# Allegro board RK3588_Template_LP4XD200P232SD8_41R0X41R0_2133MHz_H1R6_V10_20211229.brd (continued)
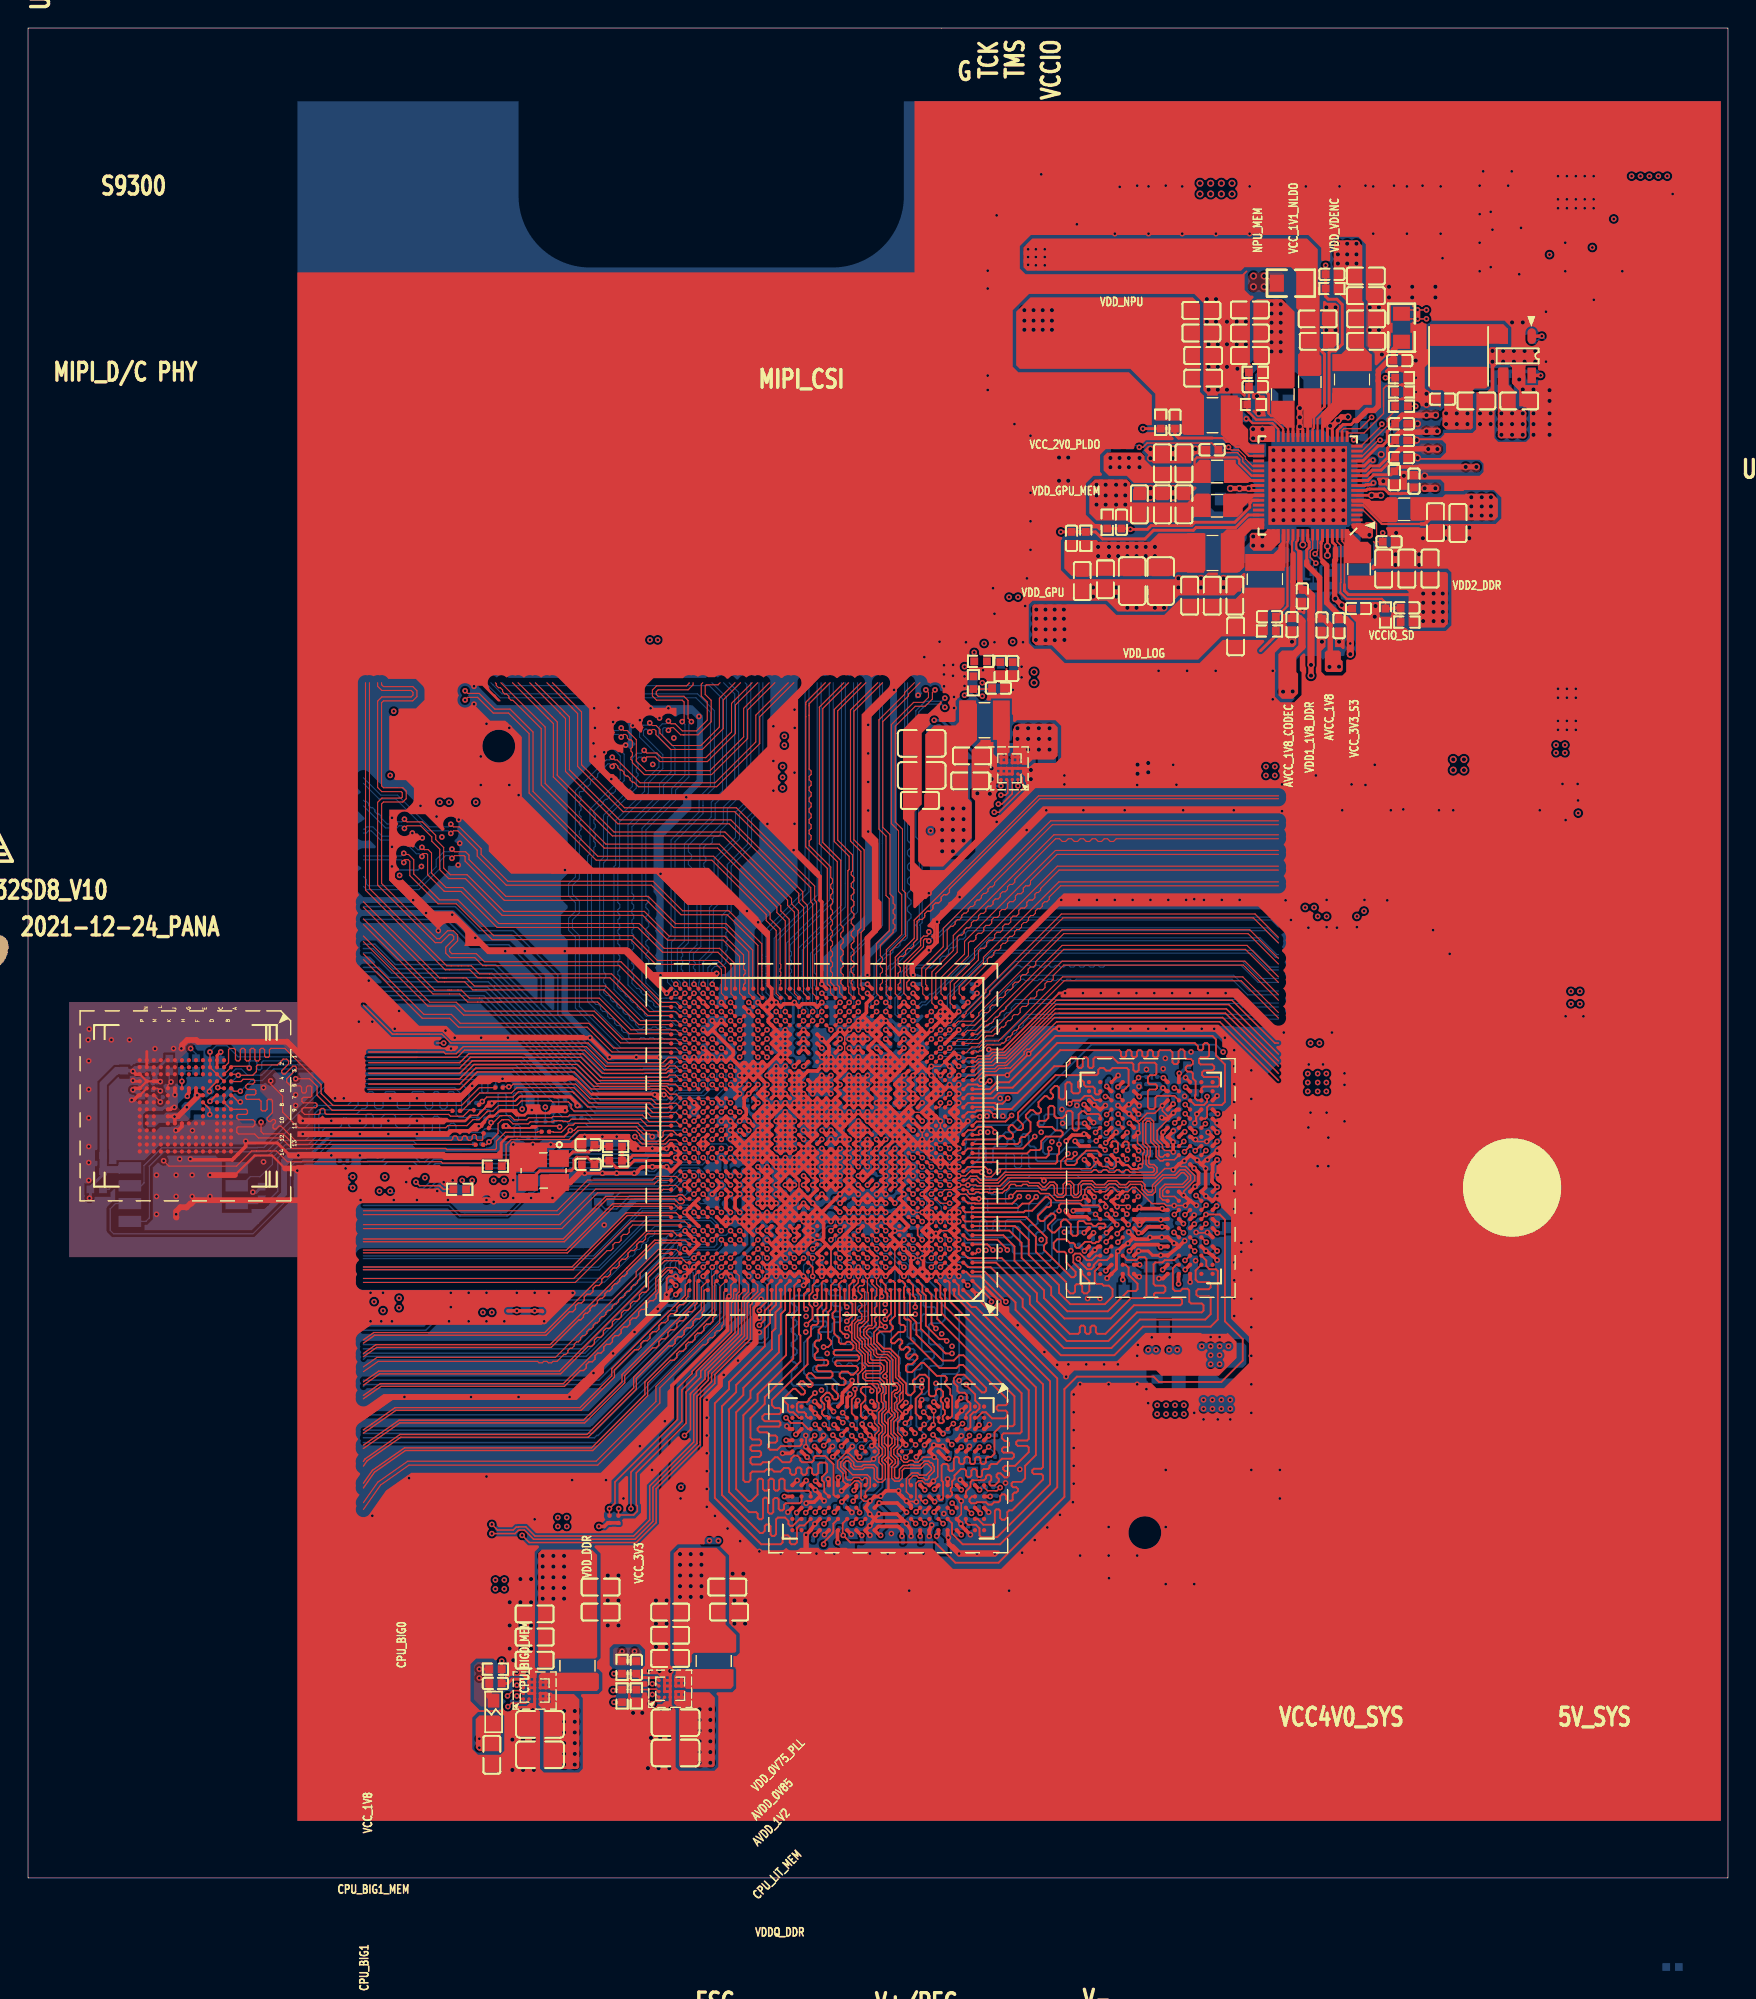
[diagram p0: board, top side]
## Routing (per net, layer and track width the routed paths; a pad name or vN(x,y) marks a point on that pad's centre or on a via; arc(x,y) is an arc through that point) (continued)
; 48.71,60.38 50.22,58.88 50.22,58.61 50.02,58.42 ; 48.71,60.38 U1000.AJ30 v1(48.07,60.38) ; 48.71,60.38 U1000.AK29 ; v1(65.62,47.38) U1000.J4 ; v1(65.62,47.38) 65.94,47.05 ; U1000.J4 64.97,47.38 U1000.J5 ; U1000.J4 65.29,47.05 v1(65.61,46.73) ; U1000.J4 v1(64.96,46.73) U1000.J5 ; U1000.AC24 v1(52.62,56.48) U1000.AD24 51.97,57.13 ; U1000.AP34 v1(45.47,62.98) 44.95,63.49 44.95,63.76 44.45,64.26 ; v1(60.41,46.73) U1000.J11 60.74,47.05 v1(61.06,46.73) ; v1(60.41,46.73) U1000.H12 ; U1000.Y13 v1(59.11,54.53) U1000.Y14 ; U1000.Y13 v1(59.76,54.53) U1000.Y12 ; U3801.D4 v1(66.45,31.48) ; 63.98,52.27 63.66,51.96 v1(63.66,51.93) 63.39,52.2 ; 63.98,52.27 64,52.27 ; 63.98,52.27 v1(63.67,52.58) 63.39,52.3 ; U1000.C3 v1(65.61,42.83) 65.29,43.15 U1000.C4 ; U1000.C3 65.94,43.15 v1(66.26,42.83) ; U1000.N29 49.04,49.65 v1(49.37,49.33) 49.04,49 U1000.M29 49.04,49 v1(48.72,48.68) ; 56.52,57.78 56.77,57.53 56.9,57.53 57.15,57.79 ; 56.52,57.78 56.83,58.1 ; v1(53.92,45.43) U1000.F21 ; v1(53.92,45.43) U1000.G21 v1(53.92,46.08) ; v1(46.77,58.43) U1000.AF32 47.09,58.1 v1(47.42,58.43) U1000.AF31 ; v1(51.32,49.98) 51.64,49.65 U1000.N25 ; v1(51.32,49.98) U1000.P25 ; v1(51.32,49.98) 50.99,50.3 U1000.P26 U1000.R25 ; v1(34.54,52.22) v1(35.94,52.22) v1(37.21,52.22) 37.23,52.2 C1101.2 ; v1(53.92,46.08) 53.59,46.4 U1000.H22 ; U1000.C7 63.66,42.83 ; U1000.C7 62.93,43.56 62.87,43.56 ; U1000.AD26 v1(50.67,57.13) 50.99,57.45 U1000.AE26 ; U1000.AD26 v1(50.67,56.48) U1000.AC27 ; U1000.AD26 51.32,57.13 ; U1000.AE12 59.79,57.75 59.79,57.81 ; U1000.AE12 60.09,57.45 U1000.AD11 ; U1000.AE12 60.13,57.45 60.41,57.74 v1(60.41,57.78) ; v1(84.68,48.54) U3800.P12 v1(83.86,48.53) U3800.N11 83.84,49.15 v1(83.84,50.51) 83.84,50.55 U3800.K11 ; U1000.V15 v1(58.46,52.58) U1000.U15 ; U1000.V15 58.14,52.9 v1(57.81,52.58) ; U1000.V15 57.81,53.24 ; U4000.G5 11.45,55.88 11.34,55.77 v1(11.34,55.64) ; 63,57.79 63.03,57.79 U1000.AF7 ; 63,57.79 U1000.AE7 ; 63,57.79 U1000.AF8 ; U1000.Y11 60.74,54.2 v1(60.41,54.53) ; U1000.Y11 61.39,54.85 ; U1000.AJ7 63.64,59.75 63.69,59.75 ; U1000.AJ7 63.61,60.32 63.61,60.43 ; v1(64.17,24.33) U3801.G12 v1(64.34,25.12) ; U1000.F21 53.9,44.77 ; U1000.F21 54.24,45.1 v1(54.57,44.78) ; v1(60.41,54.53) U1000.AA11 ; v1(60.41,54.53) U1000.Y12 ; U1000.AA11 60.74,54.85 U1000.Y10 ; U1000.AA11 v1(60.41,55.18) U1000.AB11 ; v1(64.32,53.88) U1000.Y6 ; U1000.Y12 59.82,53.93 ; U1000.K18 55.87,47.38 ; U1000.K18 56.19,47.7 v1(55.87,48.03) U1000.L19 ; 55.87,47.38 U1000.J19 ; U3800.D4 78.3,55.06 v1(78.37,55.06) 78.45,55.06 U3800.C5 v1(79.12,54.98) ; U3800.D4 v1(78.4,54.4) U3800.E5 ; U3800.D4 v1(77.6,54.99) ; v1(57.81,44.78) U1000.F16 ; v1(57.81,44.78) 58.14,44.45 ; U1000.AC4 65.29,56.15 v1(65.61,56.48) U1000.AC3 ; U1000.AC4 64.96,56.48 ; U1000.AC4 v1(64.97,55.83) ; U1000.AE26 50.67,57.78 ; U1000.AE26 51.31,57.78 ; U1000.AE26 51.32,57.13 ; 50.67,57.78 50.93,58.04 51.05,58.04 51.31,57.78 ; 50.67,57.78 50.34,58.1 U1000.AF27 50.02,58.42 ; U1000.K6 63.99,47.7 ; U1000.K6 63.99,47.7 ; U1000.K6 v1(64.31,47.38) ; 63.99,47.7 v1(64.31,48.03) U1000.L6 v1(63.67,48.68) 63.99,49 U1000.M6 v1(64.31,49.33) U1000.N6 63.99,49.65 v1(64.31,49.98) U1000.P6 ; v1(10.41,54.86) 10.39,54.84 10.26,54.84 10.14,54.72 U4000.K8 ; U3801.AB10 v1(54.1,26.03) ; 53.26,60.38 52.94,60.7 U1000.AK23 52.7,60.94 52.7,61.12 U1000.AL23 52.57,61.72 ; 53.26,60.38 U1000.AJ22 ; 53.26,60.38 53.26,60.38 U1000.AJ23 52.94,60.05 53.26,59.73 ; v1(46.76,43.48) U1000.C32 ; U1000.C32 v1(46.76,42.83) U1000.B33 v1(46.11,42.83) ; U1000.C32 v1(47.41,43.48) U1000.D31 ; U1000.W24 v1(51.97,53.88) ; U1000.W24 v1(51.97,53.23) ; 56.52,55.18 56.84,55.5 U1000.AB17 v1(57.16,55.18) U1000.AA16 ; 56.52,55.18 U1000.AA17 ; U1000.U15 58.14,52.25 v1(57.81,52.58) ; U1000.U15 58.14,52.25 v1(58.46,51.93) U1000.T15 58.14,51.6 v1(58.46,51.28) U1000.R15 58.14,50.95 v1(58.46,50.63) ; v1(84.66,43.98) U3800.Y12 v1(83.86,44.63) U3800.W11 ; U1000.V10 v1(61.71,52.58) ; v1(51.32,47.38) 51.56,47.62 51.56,47.78 ; v1(59.11,57.78) U1000.AE13 59.79,57.81 ; v1(59.11,57.78) U1000.AF13 ; v1(59.11,57.78) U1000.AF14 ; v1(64.31,47.38) 64.64,47.05 ; U1000.AH4 65.94,60.05 U1000.AJ3 65.94,60.05 v1(66.26,60.38) ; U1000.C23 v1(53.26,42.83) U1000.C22 ; U1000.C23 v1(53.26,43.48) ; U1000.C23 v1(52.62,43.48) ; U1000.C23 52.94,43.15 v1(52.61,42.83) 52.29,42.5 U1000.B24 ; 55.2,53.24 v1(55.22,53.23) U1000.V19 ; U1000.W15 57.82,53.24 57.81,53.24 ; U1000.W15 U1000.Y16 ; v1(46.78,46.07) U1000.G32 v1(47.41,45.43) 47.74,45.1 U1000.F31 U1000.E32 v1(46.76,44.78) ; U1000.U24 v1(51.97,52.58) ; U1000.U24 v1(52.62,52.58) ; U1000.U24 v1(51.97,51.93) ; U1000.U24 52.62,51.93 ; v1(51.97,52.58) U1000.V24 ; U1000.J10 61.39,47.05 v1(61.06,46.73) ; U1000.J10 61.72,47.38 ; 57.81,57.13 U1000.AE16 ; 57.81,57.13 57.49,56.8 U1000.AD16 v1(57.81,56.48) U1000.AC16 57.81,55.83 57.49,55.5 U1000.AB16 ; U1000.AE16 57.15,57.79 ; U1000.W19 v1(55.86,53.88) ; U1000.W19 v1(55.22,53.88) ; v1(55.86,51.92) U1000.T19 ; U1000.AP17 v1(56.52,63.63) 56.52,63.7 56.51,63.71 56.51,69.48 56.39,69.6 56.39,71.29 56.18,71.5 ; 52.61,51.27 52.61,51.28 ; 52.61,51.27 U1000.T23 ; 52.61,51.28 U1000.R23 ; 52.61,51.28 U1000.T24 ; U1000.Y10 61.69,54.5 ; U1000.Y10 U1000.W9 ; v1(58.46,58.43) U1000.AG15 v1(57.81,58.43) ; v1(58.46,58.43) U1000.AF14 ; v1(48.32,26.42) v1(48.32,27.69) v1(48.32,28.96) v1(48.32,30.23) v1(48.32,31.5) v1(48.32,32.77) v1(48.32,34.04) 49.28,34.99 49.28,35.56 v1(49.53,35.81) v1(50.55,36.83) ; 61.72,47.38 U1000.K9 ; U1000.W3 v1(66.26,53.23) ; U1000.W3 v1(65.61,53.23) ; v1(66.26,53.23) U1000.V3 ; v1(55.87,53.88) 55.54,54.2 U1000.Y19 ; v1(55.87,53.88) U1000.Y18 ; U1000.V3 65.62,52.58 65.61,52.58 ; U1000.V3 v1(65.62,53.23) ; U1000.AA21 54.57,54.52 ; U1000.Y6 63.94,54.2 63.64,54.5 U1000.AA6 ; U1000.Y6 64.26,54.47 64.37,54.47 ; 55.21,45.42 54.89,45.1 U1000.F20 ; 49.38,46.71 49.04,47.05 U1000.J29 ; U1000.N22 v1(53.27,49.33) U1000.M22 ; 56.84,47.06 56.51,46.74 56.51,46.73 ; U1000.AF13 v1(59.11,58.43) U1000.AF14 ; U1000.AF13 59.74,57.81 59.79,57.81 ; 62.4,54.56 62.4,54.49 U1000.Y8 ; 62.4,54.56 U1000.Y9 ; 51.96,46.73 U1000.H25 ; v1(45.34,32.51) 45.85,33.02 45.85,35.05 49.8,39 49.8,41.24 49.91,41.36 v1(49.91,41.4) ; U1000.AJ22 v1(53.91,60.38) U1000.AJ21 54.24,60.05 v1(53.92,59.73) ; U1000.AJ22 53.58,60.05 53.26,59.73 ; U1000.AJ22 53.59,60.05 v1(53.92,59.73) ; U1000.AA3 v1(66.27,55.18) U1000.AB3 65.94,55.5 v1(66.26,55.83) U1000.AC3 ; U1000.C13 59.44,43.15 v1(59.76,42.83) U1000.C12 60.09,43.15 ; U1000.V8 63,52.59 ; U1000.AK29 v1(49.36,61.03) 49.69,60.7 U1000.AK28 ; U1000.AK29 v1(48.72,61.03) ; v1(52.62,52.58) U1000.U23 52.62,51.93 ; v1(52.62,52.58) 52.29,52.9 U1000.V24 ; U3800.P10 v1(82.28,48.59) 82.2,48.59 U3800.N9 ; U3800.P10 v1(83.19,47.88) ; U3800.P10 v1(82.4,47.87) ; v1(84.66,51.78) U3800.J12 83.98,51.21 v1(83.97,51.13) 83.86,51.13 U3800.K11 ; U1000.F23 v1(52.62,45.43) ; U1000.F23 53.25,45.41 ; v1(63.66,44.78) 63.34,45.1 U1000.F7 ; v1(63.66,44.78) 63.99,45.1 ; v1(53.27,50.63) U1000.R23 ; U3800.K11 83.25,51.1 v1(83.24,51.1) 83.24,51.11 U3800.J10 v1(82.33,51.04) 82.31,51.05 U3800.K9 81.56,50.42 v1(81.53,50.42) ; 53.92,48.68 U1000.M22 ; 53.92,48.68 U1000.L21 ; U1000.AM4 65.61,61.68 ; U1000.AM4 v1(64.97,62.33) ; 65.61,61.68 U1000.AL3 ; 60.09,43.15 v1(60.41,42.83) U1000.C11 ; 60.09,43.15 v1(60.41,43.48) ; U1000.AF12 59.79,57.81 ; U1000.AF12 60.1,58.1 ; 64.64,45.75 v1(64.64,45.88) ; 64.64,45.75 v1(64.96,45.43) ; 64.64,45.75 64.31,45.43 v1(64.31,45.43) ; 64.64,45.75 64.32,46.08 ; 64.64,45.75 64.96,46.08 ; U1000.AM23 52.62,62.32 52.61,62.32 ; U1000.AM23 v1(53.27,62.33) ; U1000.AM23 52.66,61.72 52.57,61.72 ; 61.39,57.46 61.71,57.14 61.71,57.13 ; 61.39,57.46 U1000.AD11 ; 61.39,57.46 61.72,57.79 ; 58.46,49.33 58.47,49.33 ; v1(58.46,43.48) 58.14,43.8 v1(58.46,44.13) 58.14,44.45 ; U1000.V24 v1(51.97,53.23) ; U1000.AE9 62.04,57.47 61.72,57.79 ; U1000.AE9 61.71,57.13 ; U1000.AE9 62.36,57.78 ; U3800.J1 75.69,51.45 v1(76.02,51.13) U3800.K2 ; v1(64.14,70.1) 64.14,70.08 63.88,69.83 63.52,69.83 62.92,70.43 62.92,70.58 62.93,70.59 62.93,74.39 62.93,74.94 62.74,75.13 62.74,76.65 ; v1(60.41,57.78) 60.43,57.76 60.44,57.76 ; v1(60.41,57.78) 60.41,57.79 60.1,58.1 ; v1(60.41,43.48) 60.09,43.8 v1(60.41,44.13) 60.09,44.45 U1000.E12 60.09,44.45 v1(59.76,44.78) 59.44,45.1 U1000.F13 v1(59.11,44.78) 58.79,45.1 U1000.F14 ; v1(60.41,43.48) U1000.C11 ; U1000.AL3 v1(66.26,61.68) ; U4000.J5 10.45,55.77 10.45,55.77 v1(10.45,55.75) ; v1(55.22,53.88) U1000.Y19 ; v1(55.21,53.88) U1000.W20 ; 65.94,47.05 U1000.J3 ; v1(78.36,45.98) U3800.V5 ; U3800.V5 78.88,45.47 79.76,45.47 v1(79.88,45.59) 79.89,45.58 v1(80.72,45.6) U3800.V8 v1(81.59,45.18) 81.62,45.16 81.74,45.16 U3800.W9 ; U3800.V5 v1(78.3,45.17) U3800.W4 v1(77.59,44.6) ; U3801.K2 62.22,32.88 v1(62.51,33.17) 62.87,33.53 U3801.J1 ; U3801.G10 v1(63.87,26.05) ; 65.94,50.3 v1(65.62,50.63) ; v1(64.52,29.95) 64.52,30 U3801.G5 64.49,30.78 v1(64.49,30.81) 64.49,30.81 v1(65.12,30.73) 65.12,30.7 U3801.E5 ; v1(63.01,55.82) 63.02,55.82 U1000.AB7 63.34,55.5 v1(63.01,55.17) ; v1(63.01,55.82) 63.01,55.82 U1000.AB8 63.01,55.18 v1(63.01,55.17) ; v1(63.01,55.82) 63.01,55.83 U1000.AC8 62.99,56.45 62.99,56.52 62.7,56.8 U1000.AD8 v1(63.01,57.13) 63.34,57.45 U1000.AE7 ; U1000.L21 v1(54.57,48.03) ; U1000.L21 54.57,48.68 ; U1000.H3 v1(66.26,46.73) 65.94,47.05 U1000.J3 ; U1000.H3 65.61,46.08 U1000.G3 ; U1000.H3 v1(65.61,46.73) ; U1000.H3 66.26,46.08 U1000.G3 ; 61.71,57.13 61.39,56.8 U1000.AD10 ; U1000.AF7 63.01,58.43 ; U1000.AN23 v1(53.27,62.33) ; U1000.AN23 52.61,62.32 ; v1(53.27,62.33) U1000.AM22 53.82,62.23 54.47,62.23 v1(54.57,62.33) U1000.AM20 55.12,62.23 55.96,62.23 U1000.AM18 v1(56.51,62.33) ; U1000.P8 62.69,50.3 v1(63.01,50.63) U1000.R8 ; U1000.P8 v1(63.01,49.98) ; U1000.T19 v1(55.22,51.93) ; v1(51.97,51.28) U1000.R25 ; v1(51.97,51.28) U1000.T24 ; 64.96,56.48 U1000.AD5 ; 64.96,56.48 U1000.AC5 ; v1(49.37,51.28) 49.69,50.95 U1000.R28 ; U1000.Y16 v1(57.17,53.88) ; U1000.Y16 v1(57.16,54.53) ; v1(54.57,44.78) U1000.F20 ; U1000.T23 52.62,51.93 ; U3801.T10 v1(58.66,26.02) ; U1000.V19 55.86,52.59 55.87,52.59 ; U1000.L20 54.57,48.67 54.57,48.68 ; v1(57.35,33.2) 57.35,33.2 U3801.V1 57.01,33.57 57.01,33.99 v1(56.91,34.1) ; U1000.C22 v1(53.26,43.48) ; U1000.C22 53.59,43.15 v1(53.92,42.83) U1000.C21 54.57,42.83 U1000.C20 54.89,43.15 v1(55.21,42.83) 55.54,42.5 U1000.B19 v1(55.22,42.18) ; U1000.D24 v1(52.62,43.48) ; v1(52.62,43.48) 52.94,43.8 U1000.D23 ; U1000.A34 v1(45.46,41.53) ; U3801.T5 v1(58.69,30.72) ; 62.35,53.86 U1000.Y8 ; 62.35,53.86 62.04,54.16 U1000.Y9 ; 62.35,53.86 U1000.W9 ; U1000.AM9 v1(62.36,62.33) U1000.AM8 ; 60.41,55.84 U1000.AC12 v1(60.41,56.48) U1000.AD11 ; 60.41,55.84 U1000.AB11 ; U1000.N25 v1(51.97,49.98) 51.64,50.3 U1000.P25 ; 63.65,51.94 U1000.T6 ; U1000.N32 v1(46.76,49.33) U1000.M32 ; v1(48.07,58.43) 47.74,58.1 ; U3801.V12 56.7,24.43 v1(56.7,24.43) ; 52.57,61.72 U1000.AM24 ; v1(57.81,52.58) U1000.U16 v1(57.16,52.58) 56.84,52.25 U1000.U17 ; U1000.G6 63.99,45.75 v1(64.31,45.43) ; U1000.G6 63.97,45.75 63.66,46.07 U1000.H6 ; U1000.G6 64.32,46.08 ; U1000.H10 v1(61.06,46.73) ; U1000.A1 v1(67.56,41.53) ; 53.27,44.14 52.94,43.8 U1000.D23 ; 50.02,58.42 50.01,58.42 U1000.AF28 v1(49.37,58.43) 49.04,58.1 ; U1000.D23 v1(53.26,43.48) ; U3800.E12 v1(84.65,53.74) ; U3801.T1 58.32,34.19 58.52,34.39 v1(58.52,34.44) ; U1000.F20 54.89,45.1 v1(55.22,44.78) ; 63,52.59 63,52.57 62.37,51.93 ; 63,52.59 63.39,52.2 ; U1000.AD10 U1000.AE11 ; U1000.AE11 60.74,57.47 60.44,57.76 ; v1(51.32,42.83) 50.99,43.15 U1000.C26 ; U1000.AM24 v1(51.97,62.33) ; U1000.AM24 52.61,62.32 ; U1000.H12 v1(60.41,46.08) ; U3801.T12 v1(58.62,24.46) ; 53.26,59.73 U1000.AH22 ; v1(59.11,61.03) U1000.AL13 ; 64.64,47.05 U1000.J5 ; U3801.D9 v1(66.45,26.83) ; U1000.T6 v1(64.31,51.28) U1000.R5 ; U1000.T6 v1(64.31,51.93) 64.31,51.96 64,52.27 ; U1000.AC3 65.94,56.15 v1(66.26,56.48) ; U4000.P6 7.86,55.72 7.52,55.38 v1(7.37,55.38) ; v1(57.17,54.53) U1000.AA16 ; v1(62.36,51.28) U1000.T9 62.37,51.93 ; v1(62.36,51.28) U1000.R8 ; U1000.AD5 64.64,56.8 v1(64.31,56.48) U1000.AC5 ; U3801.C1 v1(66.48,33.27) 66.12,32.9 U3801.D2 ; v1(81.54,53.18) 81.54,53.18 81.54,53.15 U3800.G8 81.18,52.75 81.53,52.4 v1(81.53,52.39) 81.53,52.38 81.53,51.69 v1(81.55,51.68) ; U1000.AA23 U1000.Y24 ; U3800.Y5 v1(79.07,44.63) ; v1(55.4,24.43) U3801.Y12 v1(56.02,25.2) U3801.W11 ; v1(73.91,47.5) 73.91,47.37 74.22,47.07 75.38,47.07 U3800.T1 ; U1000.H6 64.32,46.08 ; U3800.AB5 78.94,42.8 v1(79.12,42.8) ; v1(59.76,51.93) U1000.U12 60.09,52.25 v1(59.76,52.58) U1000.U13 v1(59.76,51.93) ; v1(59.76,51.93) U1000.T13 59.44,51.6 v1(59.76,51.28) U1000.R13 59.44,50.95 v1(59.76,50.63) ; U3801.E12 65.47,24.36 65.5,24.32 65.5,24.25 v1(65.53,24.23) 65.53,23.88 66.04,23.37 ; 63.39,52.3 63.39,52.2 ; U1000.AF8 63.01,58.43 ; U1000.AF8 62.36,57.78 ; U3800.G5 v1(79.03,53.05) ; U3800.T8 v1(80.64,46.86) 80.6,46.9 79.54,46.9 ; U3800.C12 v1(84.66,55.67) ; v1(55.22,51.93) 54.89,52.25 U1000.U20 ; v1(65.61,46.73) U1000.J3 ; v1(64.44,32.25) 64.44,32.23 U3801.G3 ; 51.31,57.78 51.97,57.13 ; 51.32,52.58 v1(51.97,51.93) ; U1000.F16 57.49,45.1 v1(57.81,45.43) ; v1(53.92,59.73) U1000.AH22 ; U1000.A14 58.79,41.41 58.85,41.35 v1(58.85,41.33) ; U1000.AA6 64.37,54.47 ; U1000.AA6 64.31,55.17 ; U3801.AB5 54.29,30.23 v1(53.72,30.23) ; 63.66,42.83 63.99,42.5 ; 58.47,49.33 U1000.M14 ; 79.54,46.9 U3800.T5 v1(79.14,46.5) 79.54,46.9 ; U3800.V1 v1(75.86,45.93) ; U1000.AE24 51.97,57.13 ; v1(84.66,46.58) U3800.T12 ; v1(51.97,51.93) U1000.T24 ; v1(60.07,30.76) 60.27,30.96 U3801.N4 59.96,31.46 59.96,31.47 v1(59.94,31.5) 59.92,31.5 59.62,31.8 U3801.P3 59.39,32.19 v1(59.39,32.31) ; 65.29,50.95 v1(64.96,50.63) U1000.R5 ; 65.29,50.95 v1(64.97,51.28) U1000.R5 ; 65.29,50.95 v1(65.61,50.63) ; v1(57.28,30.72) 57.27,30.72 57.02,30.47 U3801.V5 ; U1000.T24 52.29,51.6 52.62,51.93 ; v1(51.97,53.88) U1000.Y24 ; v1(51.97,53.88) 51.69,54.15 51.69,54.25 51.93,54.49 ; v1(61.06,58.43) 61.06,58.42 61.7,57.79 61.72,57.79 ; 51.97,57.13 U1000.AD25 51.64,56.8 51.32,57.13 ; U1000.AA17 U1000.AB16 ; v1(68.96,75.18) 71.61,77.83 72.14,77.83 ; v1(77.55,47.78) U3800.P3 v1(77.57,48.49) U3800.N4 ; 59.75,61.04 59.44,61.35 U1000.AL13 ; U3801.E8 v1(65.47,28.39) ; U1000.M14 v1(59.11,48.68) ; 63.61,60.43 U1000.AK7 ; 62.74,76.65 62.74,78.42 C2324.2 ; 62.74,76.65 C2327.2 ; 63.99,42.5 U1000.B6 ; v1(69.11,41.02) 69.11,40.69 ; U3801.AB3 54.22,31.95 v1(54.02,32.15) ; 64.31,55.17 U1000.AB5 ; v1(76.82,42.69) U3800.AB3 ; 47.74,62.65 v1(48.07,62.33) 48.39,62 ; U3801.W9 56.37,27.15 v1(56.68,26.84) ; U3801.W9 56.37,27.3 v1(56.06,27.61) U3801.Y8 ; U3801.W9 55.96,26.75 55.47,26.75 v1(55.4,26.67) ; U1000.AP1 v1(67.56,63.63) ; U3801.E1 65.47,33.96 v1(65.43,34.01) ; 63.99,45.1 v1(64.31,45.43) ; U1000.AC27 v1(50.67,55.83) U1000.AB27 ; U1000.AC27 v1(50.02,56.48) ; U3800.G3 v1(77.47,53.08) ; v1(68.45,32.28) 68.12,31.95 U3801.A3 ; U1000.Y24 52,54.49 51.93,54.49 ; v1(67.1,24.43) U3801.C12 66.41,25.11 v1(66.41,25.21) 66.41,25.26 U3801.D11 ; v1(64.73,68.07) 64.73,66.63 v1(64.14,66.04) 64.14,65.99 63.01,64.87 v1(63.01,64.28) ; v1(77.52,46.5) 77.52,46.51 77.52,46.53 U3800.T3 v1(76.81,47.23) ; 51.64,61.35 v1(51.32,61.68) U1000.AM26 ; U1000.AA16 57.49,54.85 57.81,55.18 U1000.AB16 ; v1(67.69,48.35) U1000.L1 ; U3801.A10 v1(68.4,26.03) ; U1000.F14 v1(58.46,44.78) ; U1000.AC5 v1(64.97,55.83) ; v1(80.52,42.67) 80.81,42.67 U3800.AB8 ; v1(59.76,62.98) U1000.AN12 59.69,62.25 59.69,61.6 U1000.AL13 ; v1(58.46,44.78) 58.14,44.45 58.14,44.45 ; U1000.AJ12 v1(59.77,60.38) ; U3800.G1 75.33,52.96 v1(75.18,52.96) 75.11,52.88 74.35,52.88 v1(73.91,52.45) ; U3800.W9 v1(82.35,45.36) ; U3801.T8 v1(57.92,27.55) ; U3801.V8 57.02,28.34 v1(56.97,28.39) ; 38.35,59.82 v1(40.01,59.82) v1(41.4,58.43) v1(43.31,58.43) v1(44.96,58.43) ; U1000.B27 50.34,42.5 v1(50.02,42.83) U1000.C28 v1(49.37,42.83) ; U3800.W2 76.2,44.95 v1(75.95,44.7) 75.87,44.63 75.86,44.63 U3800.Y1 ; v1(64.97,55.83) U1000.AB5 ; U1000.AB29 v1(49.36,55.18) ; v1(83.92,52.43) U3800.G12 84.02,53.08 v1(84.02,53.08) ; v1(11.56,51.18) 11.62,51.12 14.54,51.12 14.55,51.13 14.65,51.24 14.65,51.24 14.93,51.52 14.93,51.52 15.49,52.08 v1(15.49,52.45) ; U3801.C8 v1(66.37,28.35) ; U3800.E1 75.82,53.77 v1(75.87,53.77) ; U3800.T10 v1(83.03,47.19) ; U1000.AM28 v1(49.37,62.33) ; U3800.C8 v1(80.76,54.98) ; U1000.C30 v1(48.06,42.83) ; U3800.D11 v1(83.21,54.38) ; v1(83.97,45.95) 83.99,45.95 U3800.V12 ; v1(55.37,30.7) U3801.Y5 ; U3800.AB10 v1(82.74,42.42) ; U3800.G10 82.82,52.75 83,52.57 v1(83.12,52.57) ; v1(60.78,41.4) 60.74,41.44 U1000.A11 ; U3801.G8 v1(64.46,28.25)
  TOP w0.305: 50.99,47.05 51.32,46.73
  TOP w0.381: v1(34.54,48.41) v1(34.54,49.68) 34.54,51.66 ; 35.05,48.41 v1(35.81,48.41) v1(37.34,48.41) ; v1(55.4,24.43) 55.4,23.11 55.37,23.09 ; C2255.2 v2(89.99,88.01) ; C2253.2 v2(92.13,88.01) ; 39.43,50.36 v1(39.62,50.17)
  TOP w0.406: v1(70.78,23.15) v1(71.67,24.05) v1(72.57,24.95) v1(73.47,25.85) 73.5,25.85 v1(74.39,26.74) 74.45,26.8 v1(74.45,28.07) v1(74.45,29.34) v1(74.45,30.61) v1(74.45,31.88) v1(74.45,33.15) v1(74.45,34.42) ; 38.65,41.53 v1(36.75,39.62) v1(33.91,39.62) v1(32.64,39.62) v1(31.37,39.62) v1(29.97,39.62) v1(25.91,39.62) v1(25.15,39.62) v1(24.38,39.62) 24.25,39.65 23.88,39.38 ; 38.65,41.53 v1(38.77,41.65) ; 38.65,41.53 38.54,41.64 33.71,41.64 33.2,41.14 33.19,41.14 29.84,41.14 29.34,41.64 ; v1(26.1,60.45) 29.59,60.45 29.66,60.38 29.66,60.37 30.21,59.82 30.37,59.82 v1(30.38,59.82) v1(32.26,59.82) v1(34.16,59.82) 38.35,59.82 ; v1(24.51,25.78) 24.64,25.78 27.05,28.19 ; v1(61.66,84.58) 59.82,82.74 v1(59.82,82.09) v1(59.82,80.06) v1(59.82,78.03) v1(59.82,75.99) v1(59.82,74.5) 59.82,74.17 60.33,73.66 60.33,67.45 59.76,66.89 v1(59.76,64.28) ; 48.32,26.34 48.89,25.77 v1(48.91,25.77) v1(49.8,24.87) v1(50.7,23.97) 51.59,23.09 v1(53.59,23.09) v1(54.86,23.09) v1(56.13,23.09) v1(57.4,23.09) v1(59.94,23.09) v1(61.21,23.09) v1(62.48,23.09) v1(63.75,23.09) ; 28.52,80.58 30.02,82.09 33.99,82.09 34.92,81.15 v1(34.92,77.09) 34.92,74.12 37.34,71.7 44.81,71.7 v1(45.03,71.49) 47.05,69.47 50.55,69.47 v1(51.18,68.83) 51.94,68.07 ; 14.73,50.04 v1(12.95,50.04) ; v1(73.84,62.99) v1(75.11,62.99) v1(76.38,62.99) v1(77.65,62.99) v1(78.92,62.99) v1(80.19,62.99) v1(81.46,62.99) v1(82.73,62.99) v1(84,62.99) v1(85.27,62.99) 86.11,62.99 88.91,60.19 89.03,60.19 ; v1(109.47,75.31) 108.78,76.01 v1(107.64,76.01) v1(101.47,76.01) v1(100.46,76.01) 98.81,76.01 ; v1(68.83,23.09) v1(67.56,23.09) v1(66.29,23.09) ; 50.74,76.94 v1(52.64,75.04) v1(54.5,73.17) ; 50.74,76.94 50.74,78.33 53.07,80.65 v1(53.07,81.99) ; 50.74,76.94 v1(46.86,76.94) 42.82,76.94 v1(41.53,78.23) 40.26,79.5 v1(40.26,80.77) 40.26,83.22 v1(40.31,83.27) 38.49,85.09 ; 24.89,51.44 v1(23.62,51.44) v1(21.59,51.44) v1(19.24,51.44) 18.64,51.44 ; 24.89,51.44 24.89,51.44 ; 24.89,51.44 29.6,51.44 29.7,51.34 32.13,51.34 ; 29.45,53.91 v1(27.69,53.91) v1(25.65,53.91) v1(23.62,53.91) v1(21.59,53.91) ; v1(19.17,50.36) 19.17,50.43 19.17,50.48 19.17,50.48 19.17,50.48 19.17,50.49 19.18,50.49 19.18,50.48 19.18,50.51 ; 19.18,50.51 18.29,50.51 ; 19.18,50.51 19.92,50.51 19.94,50.54 20.44,50.54 20.47,50.51 v1(22.61,50.51) 22.86,50.51 22.86,50.52 23.37,50.52 23.37,50.51 v1(27.18,50.51) 29.25,50.51 29.32,50.44 31.35,50.44 ; v1(71.37,102.68) v1(71.37,98.61) v1(71.37,96.58) v1(71.37,94.55) 71.12,94.3 71.12,94.23 v1(68.71,91.82) ; v1(64.14,70.1) 64.14,70.36 v1(68.96,75.18) ; 89.03,76.01 v1(85.85,76.01) v1(82.24,76.01) v1(78.08,76.01) v1(75.14,76.01) 72.51,76.01 v1(72.5,76) v1(71.1,74.6) v1(66.33,69.83) 64.73,68.23 v1(64.73,68.07) ; 27.11,61.02 v1(26.42,61.72) v1(24.26,63.88) 23.88,64.26 ; v1(54.5,73.17) 54.57,73.24 v1(54.57,75.05) v1(54.57,78.69) v1(54.57,83.17) 54.57,83.96 55.71,85.09 ; v1(54.5,73.17) 56.18,71.5 ; C1101.2 39.43,52.58 v1(39.62,52.77) ; v1(10.92,59.05) 10.97,59.1 10.97,59.3 11.32,59.65 11.97,59.65 12.1,59.53 18.45,59.53 21.31,56.66 21.31,56.04 v1(21.86,55.5) v1(22.48,55.5) v1(25.78,55.5) v1(27.69,55.5) 30.73,55.5 v1(31.62,56.39) 32.13,56.9 v1(33.78,56.9) 38.3,56.9 ; v1(32.64,28.58) 32.89,28.32 v1(38.73,28.32) v1(41.15,28.32) v1(43.56,30.73) v1(45.34,32.51) ; 33.55,48.25 11.86,48.25 11.62,48.01 11.56,48.01 11.28,47.73 11.26,47.75 10.84,47.75 10.54,47.45 10.54,47.03 10.56,47.01 ; v1(49.02,64.39) 48.89,64.26 v1(45.03,64.26) 44.45,64.26 42.74,65.98 v1(38.21,65.98) v1(35.37,65.98) v1(33.97,65.98) 32.8,65.98 v1(31.85,66.93) v1(30.2,68.58) 28.45,68.58 v1(28.34,68.69) v1(27.42,69.61) 25.92,71.11 25.92,74.45 ; Y1100.4 38.6,49.52 39.43,50.35 C1102.2 ; v1(34.54,52.22) 34.54,51.66 ; 27.18,25.92 28.52,24.58 ; v1(67.56,63.63) v1(73.56,69.63) v1(74.83,69.63) v1(76.1,69.63) v1(77.37,69.63) v1(78.64,69.63) v1(79.91,69.63) v1(81.18,69.63) v1(82.45,69.63) v1(83.72,69.63) v1(84.99,69.63) v1(86.26,69.63) 89.03,69.63 ; v1(19.56,52.96) v1(21.59,52.96) v1(23.62,52.96) v1(25.65,52.96) v1(27.69,52.96) 29.59,52.96 ; 72.14,77.83 v1(81.77,77.83) 84.51,80.58 87.26,77.83 89.03,77.83 ; v1(45.46,41.53) 45.46,41.15 v1(44.83,40.51) v1(43.18,38.86) v1(41.66,37.34) v1(40.26,35.94) v1(38.55,34.23) v1(34.92,34.23) v1(31.54,34.23) 26.85,34.23 26.85,34.24 v1(26.8,34.24) 26.75,34.24 26.74,34.23 25.89,34.23 23.88,32.82 ; v1(84.84,38.51) v1(84.2,38.51) 81.31,38.51 v1(81.28,38.48) v1(80.01,38.48) 79.55,38.48 v1(79.02,37.95) 77.63,36.56 v1(77.6,36.56) v1(76.61,36.56) v1(75.34,36.56) v1(74.07,36.56) 73.3,36.56 v1(73.27,36.53) v1(72.36,37.44) v1(70.46,39.34) 69.11,40.69 ; v1(101.22,65.79) 98.81,65.79 ; v1(73.41,60.45) v1(74.68,60.45) v1(75.95,60.45) v1(77.22,60.45) v1(78.49,60.45) v1(79.76,60.45) v1(81.03,60.45) v1(82.3,60.45) v1(83.57,60.45) v1(84.45,60.45) 84.58,60.45 v1(85.22,59.82) 85.24,59.82 85.88,59.18 v1(85.88,58.93) v1(85.88,57.78) v1(85.88,56.51) v1(85.88,55.24) v1(85.88,53.97) v1(85.88,52.7) v1(85.88,51.43) v1(85.88,50.16) v1(85.88,48.89) v1(85.88,47.62) v1(85.88,43.81) v1(85.88,42.54) v1(85.88,41.27) v1(85.88,40) ; v1(34.54,48.41) 35.05,48.41
  L2-GND1 w0.089: 76.45,48.13 77.09,48.13 ; 65.6,26.35 66.14,26.35 ; 58.42,32.64 58.34,32.56 58.34,32.05 58.29,32 ; 57.66,32.77 58.29,32.77 ; 57.02,32.64 57.02,32 ; 73.15,51.94 73.15,52.02 73.08,52.09 73.08,52.23 v1(72.9,52.41) ; 68.07,31.88 68.07,31.61 68.07,31.61 68.07,31.34 68.07,31.34 68.07,31.24 ; 68.07,30.99 68.07,30.81 68.07,30.81 68.07,30.54 68.07,30.54 68.07,30.48 ; 66.17,31.12 66.17,30.99 66.12,30.94 66.12,30.56 66.04,30.48 ; 64.14,27.43 64.21,27.51 64.21,27.86 64.14,27.94 ; 66.17,32 66.21,32.04 66.21,32.6 66.17,32.64 ; 82.04,54.61 82.17,54.74 82.25,54.74 82.26,54.73 82.52,54.73 82.53,54.74 82.8,54.74 ; 76.45,54.1 76.54,54.02 77.01,54.02 77.09,54.1 ; 82.04,52.83 82.07,52.8 82.49,52.8 82.53,52.83 82.55,52.83 82.68,52.71 ; 67.44,31.88 67.4,31.84 67.4,31.32 67.44,31.28 67.44,31.12 ; 64.77,32 64.77,31.24 ; 85.12,50.04 v1(84.71,50.04) ; 57.02,25.78 57.08,25.84 57.08,26.23 57.02,26.29 ; 63.5,24.89 63.52,24.91 63.52,25.51 63.5,25.53 ; 78.61,46.99 78.49,46.86 77.98,46.86 ; 64.26,26.54 64.26,26.6 64.22,26.64 64.22,27.01 64.26,27.05 ; 84.2,47.62 84.3,47.72 84.3,48.03 84.2,48.13 ; 77.98,56.01 77.96,55.99 77.36,55.99 77.34,56.01 ; 78.11,53.47 78.22,53.47 78.28,53.4 78.55,53.4 ; 76.45,53.34 76.48,53.37 77.06,53.37 77.09,53.34 ; 54.99,25.65 55.04,25.71 55.04,26.24 54.99,26.29 ; 69.34,45.59 69.22,45.47 v1(69.22,44.7) 69.22,44.32 ; 55.75,27.81 55.74,27.82 55.74,28.69 55.75,28.7 ; 77.09,44.96 76.9,44.96 76.9,44.95 76.63,44.95 76.63,44.96 76.45,44.96 ; 59,24.96 59,25.47 ; 83.57,47.62 83.64,47.55 84.15,47.55 84.2,47.5 ; 55.63,26.29 55.72,26.19 55.72,25.81 55.75,25.78 ; 81.91,53.47 81.97,53.52 81.97,54.05 81.91,54.1 ; 76.45,56.01 77.09,56.01 ; 64.26,26.42 64.77,26.42 ; 62.87,25.65 62.87,25.89 62.87,25.89 62.87,26.16 62.87,26.17 62.87,26.42 ; 84.2,46.99 84.11,46.9 83.61,46.9 83.57,46.86 ; 56.39,25.78 56.37,25.8 56.37,26.27 56.39,26.29 ; v1(79.12,54.98) 79.63,55.49 79.63,55.8 v1(79.1,56.34) ; 57.02,31.88 57.66,31.88 ; 81.91,45.59 81.91,46.23 81.94,46.25 82.52,46.25 82.55,46.23 ; 82.68,53.34 82.68,53.27 82.68,53.26 82.68,52.99 82.68,52.98 82.68,52.83 ; 62.1,32 62.87,32 ; 56.39,32.64 56.39,32.43 56.37,32.41 56.37,32.14 56.39,32.13 56.39,31.88 ; 82.04,52.07 82.55,52.07
  L2-GND1 w0.104: 26.16,87.88 26.16,87.63 27.69,86.11 27.69,85.58 28.55,84.71 29.08,84.71 ; 65.22,84.72 v1(65.22,84.84) 65.22,84.95 v1(65.86,85.59) 65.86,86.36 v1(65.86,86.36) 65.86,94.36 64.17,96.06 ; 65.22,84.72 65.03,84.54 65.03,84.39 64.76,84.13 63.73,84.13 63.66,84.2 v1(63.37,84.2) 63.31,84.14 61.02,84.14 ; 65.22,84.72 65.86,84.08 v1(65.93,84.08) 65.93,84.07 v1(65.93,83.29) ; 85.12,50.04 85.73,50.04 85.85,50.16 v1(85.88,50.16) ; v1(85.88,50.16) v1(85.88,48.89) v1(85.88,47.62) v1(85.88,43.81) v1(85.88,42.54) v1(85.88,41.27) v1(85.88,40) 85.85,39.98 85.85,39.24 85.09,38.48 84.86,38.48 v1(84.84,38.51) v1(84.2,38.51) 84.1,38.61 81.41,38.61 v1(81.28,38.48) v1(80.01,38.48) 79.55,38.48 v1(79.02,37.95) 77.63,36.56 v1(77.6,36.56) v1(76.61,36.56) v1(75.34,36.56) v1(74.07,36.56) 73.3,36.56 v1(73.27,36.53) 73.27,36.33 v1(73.91,35.69) 74.45,35.15 v1(74.45,34.42) v1(74.45,33.15) v1(74.45,31.88) v1(74.45,30.61) v1(74.45,29.34) v1(74.45,28.07) 74.45,26.8 v1(74.39,26.74) 74.37,26.74 v1(73.47,25.85) v1(72.57,24.95) v1(71.67,24.05) v1(70.78,23.15) 70.74,23.11 68.86,23.11 v1(68.83,23.09) v1(67.56,23.09) v1(66.29,23.09) 66.27,23.11 65.05,23.11 65.02,23.09 v1(63.75,23.09) v1(62.48,23.09) v1(61.21,23.09) v1(59.94,23.09) v1(57.4,23.09) v1(56.13,23.09) v1(54.86,23.09) ; v1(85.88,50.16) v1(85.88,51.43) v1(85.88,52.7) v1(85.88,53.97) v1(85.88,55.24) v1(85.88,56.51) v1(85.88,57.78) v1(85.88,58.93) 85.88,59.16 v1(85.22,59.82) 84.58,60.45 v1(84.45,60.45) v1(83.57,60.45) v1(82.3,60.45) v1(81.03,60.45) v1(79.76,60.45) v1(78.49,60.45) v1(77.22,60.45) v1(75.95,60.45) v1(74.68,60.45) v1(73.41,60.45) ; v1(41.66,82.3) 41.53,82.42 40.51,82.42 ; 44.7,80.77 45.6,80.77 v1(45.98,81.15) ; 44.7,80.77 44.7,79.5 v1(44.48,79.27) ; 44.7,80.77 42.8,80.77 42.67,80.65 v1(42.55,80.65) 42.42,80.65 42.29,80.52 41.4,80.52 v1(41.02,80.14) 40.89,80.14 v1(40.26,80.77) ; v1(50.55,36.83) v1(49.53,35.81) 48.34,34.62 48.34,34.05 v1(48.32,34.04) v1(48.32,32.77) v1(48.32,31.5) v1(48.32,30.23) v1(48.32,28.96) v1(48.32,27.69) v1(48.32,26.42) 48.34,26.4 48.34,26.34 v1(48.91,25.77) v1(49.8,24.87) v1(50.7,23.97) 51.44,23.24 v1(52.07,23.24) 52.2,23.11 ; 69.22,44.2 69.22,44.32
  L2-GND1 w0.381: 6.35,59.06 6.35,58.29
  L3-POWER1 w0.104: v1(43.56,82.42) 41.78,82.42 v1(41.66,82.3)
  L5-POWER2 w0.089: v1(57.16,46.73) v1(57.81,46.73) v1(58.46,46.73) ; 54.9,44.44 v1(54.57,44.78) ; v1(54.57,44.78) v1(53.91,44.13) ; v1(54.57,44.78) v1(55.86,46.08) ; v1(63.67,52.58) v1(64.32,52.58) 64.32,52.63 64.91,53.23 v1(64.96,53.23) v1(65.61,53.23) ; v1(65.61,57.13) v1(65.61,56.48) v1(64.97,55.83) 64.64,55.51 64.64,54.2 v1(64.96,53.88) ; v1(61.06,46.73) 62.36,48.03 ; v1(62.36,50.63) v1(62.36,51.28)
  L6-S2 w0.089: v1(52.19,41.2) 52.84,41.85 52.84,41.92 53.26,42.34 v1(53.26,42.83) v1(53.26,43.48) v1(53.91,44.13) v1(54.57,44.78) v1(55.21,44.78) v1(55.86,45.43) ; v1(64.31,52.58) v1(64.31,51.93) v1(63.66,51.93) ; v1(64.32,52.58) 64.32,52.5 ; v1(64.32,52.58) v1(64.97,52.58) ; v1(64.31,52.58) v1(63.66,51.93) ; 57.81,41.04 v1(57.81,42.83) 57.4,43.24 57.4,44.37 v1(57.81,44.78) v1(57.81,45.43) 57.49,45.75 57.49,46.4 v1(57.81,46.73) ; v1(55.86,45.43) v1(55.86,46.08) 56.51,46.73 v1(57.16,46.73) v1(57.81,46.73) ; v1(55.86,45.43) 55.86,45.35 56.51,44.7 v1(56.51,44.13) v1(56.51,43.48) v1(56.51,42.83) 56.51,41.04 56.33,40.86 v1(56.08,40.86) ; v1(52.61,43.48) v1(52.61,42.83) 52.58,42.79 52.58,42.32 51.94,41.69 ; v1(64.31,42.83) 64.31,42.81 64.96,42.16 ; 65.4,40.93 65.05,41.28 64.83,41.28 63.5,42.61 63.5,43.56 63.01,44.05 v1(63.01,44.13) ; 81.08,58.34 81.36,58.34 82.42,57.28 v1(82.42,56.98) ; v1(57.81,46.73) v1(58.46,46.73) v1(59.11,46.73) ; 68.05,43.22 66.93,44.34 ; 68.05,52.41 68.01,52.41 68,52.4 67.09,52.4 v1(66.26,53.23) ; 62.36,46.48 v1(62.36,47.38) v1(63.01,47.38) v1(64.31,47.38) ; 62.36,46.48 61.96,46.08 v1(61.71,46.08) 61.41,45.77 60.72,45.77 v1(60.41,46.08) ; 62.36,46.48 63,45.85 63.9,45.85 v1(64.31,45.43) v1(64.96,45.43) 64.96,45.67 65.25,45.96 68.05,45.96 ; v1(49.37,42.83) 48.19,41.66 48.02,41.66 47.53,41.17 47.52,41.17 47.39,41.04 ; v1(66.26,51.93) 66.56,51.93 66.8,51.7 68,51.7 68.01,51.69 68.05,51.69 ; v1(64.96,42.83) 64.96,42.16 ; 64.96,42.16 65.09,42.04 65.79,42.04 66.78,41.04 ; 68.05,42.18 66.76,43.48 v1(66.26,43.48) ; v1(64.97,52.58) v1(65.61,53.23) v1(64.96,53.23) ; v1(64.96,52.58) v1(64.96,53.23) ; 68.05,55.32 67.77,55.32 66.78,54.33 65.16,54.33 64.96,54.53 ; v1(63.66,51.93) v1(63.01,51.93) v1(62.36,51.28) v1(62.36,50.63) v1(63.01,50.63) ; 54.48,41.04 54.48,41.4 54.86,41.78 54.86,42.48 v1(55.21,42.83) ; v1(67.86,56.79) 67.86,57.13 68.05,57.32 ; 63.99,41.04 62.44,42.59 62.44,42.83 v1(62.36,42.83) ; 71.37,60.33 71.4,60.33 ; v1(63.01,50.63) 63.16,50.63 63.5,50.29 64,50.29 v1(64.31,49.98) v1(64.31,49.33) v1(64.97,48.68) v1(64.31,48.03) v1(64.31,47.38) ; v1(63.01,50.63) 62.91,50.63 ; 53.59,41.04 53.59,41.91 53.92,42.23 v1(53.92,42.83) ; v1(49.91,41.4) 49.87,41.4 49.51,41.04 ; 66.77,56.48 v1(66.26,56.48) v1(65.61,56.48) v1(64.96,55.83) 64.52,55.38 64.52,54.86 64.85,54.53 64.96,54.53 ; 68.05,56.03 67.12,56.03 v1(66.27,55.18) ; v1(64.31,47.38) v1(63.67,47.38) ; v1(64.96,53.23) v1(64.96,53.88) 64.96,54.53 ; v1(50.02,42.83) 50.02,42.52 48.53,41.04 ; 71.73,59.16 v1(71.25,58.67) ; v1(66.26,46.73) 68.05,46.73